# Altium PCB PCB_Kasli.PCBDOC (part 9 of 14)
Units mm, origin at the board's own origin, x right, y up, seen from the top; angles counter-clockwise.
Board outline 162.29 x 100 mm, 6 copper layers (TopLayer, MidLayer1, MidLayer2, SignalLayer1, Internal Plane 1, BottomLayer), stack 1.528 mm thick; 646 components, 567 nets, 2756 pads, 1560 vias.
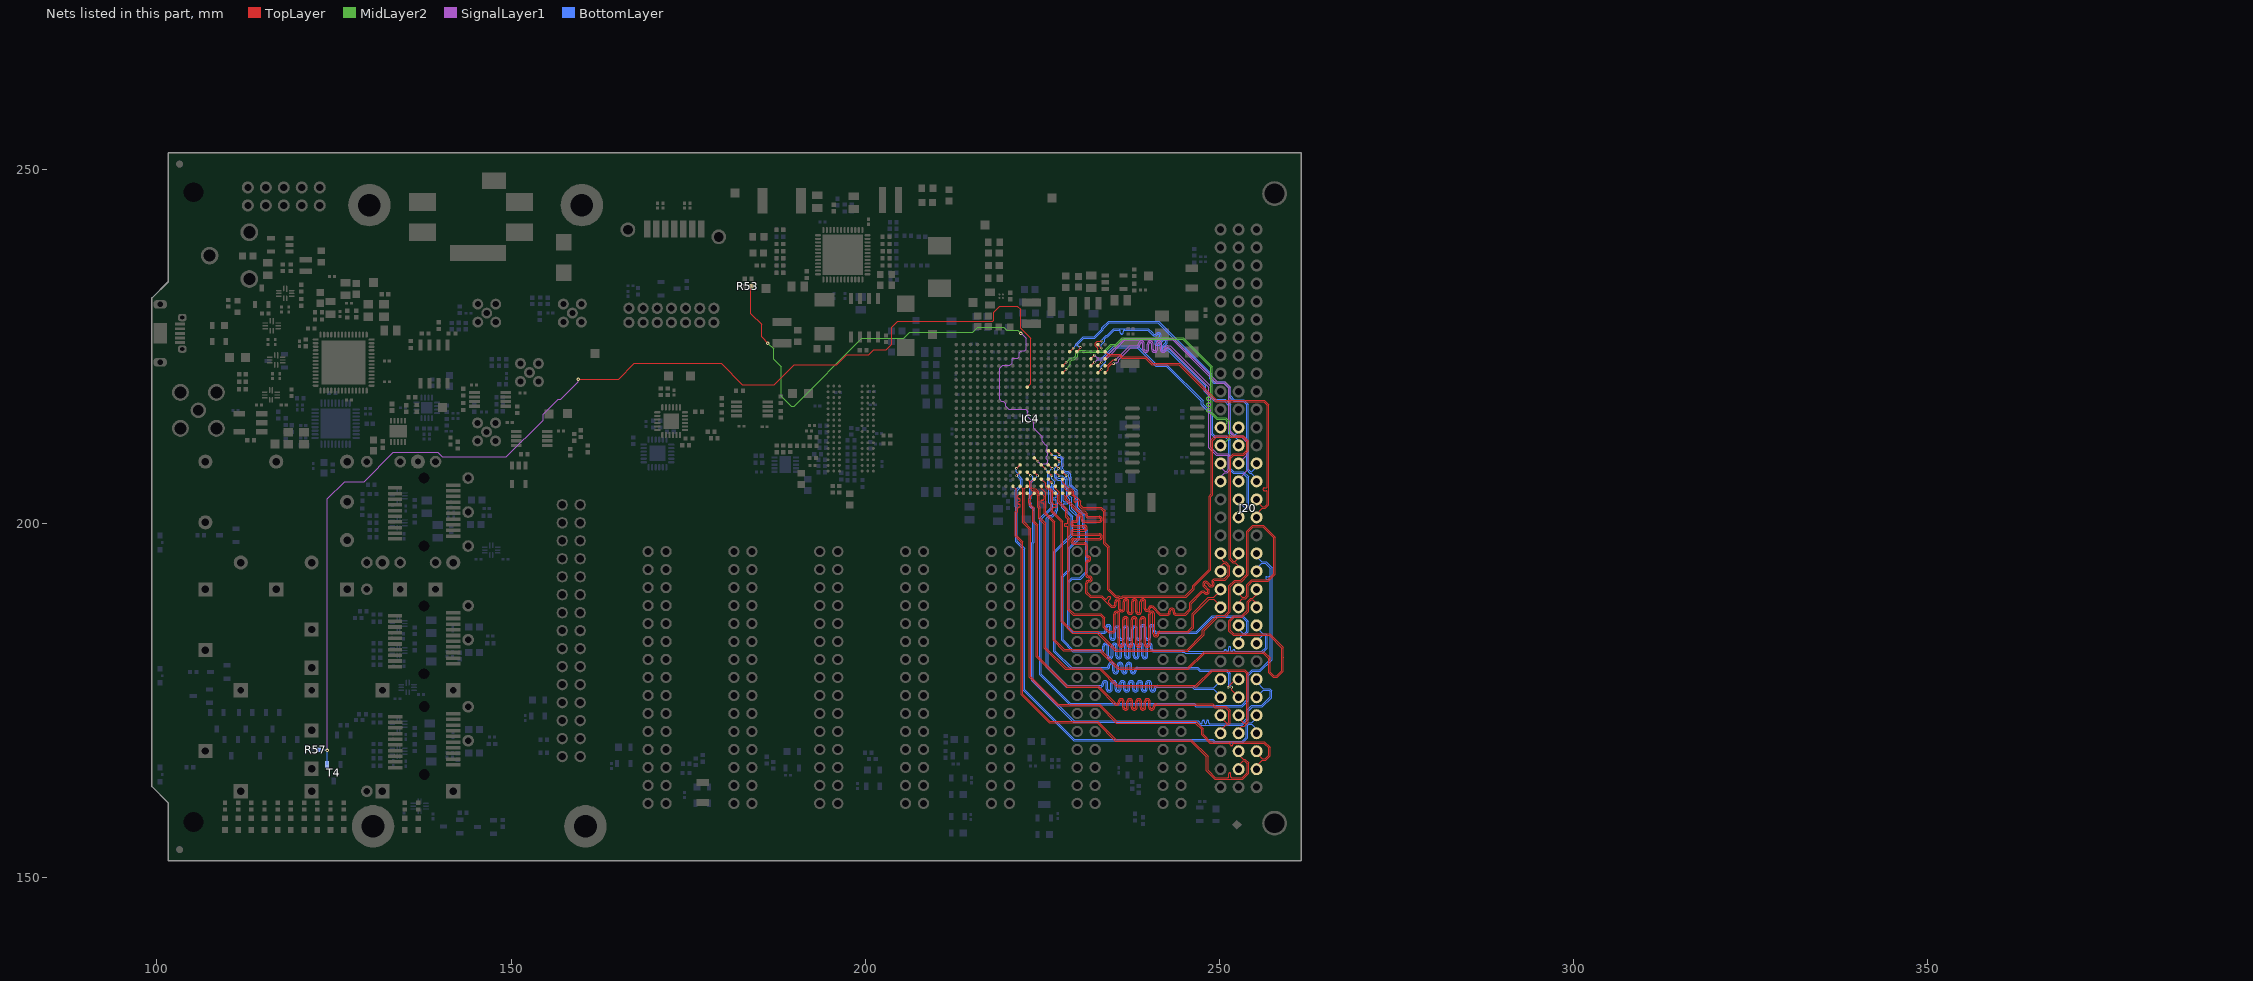
[diagram p13: the nets of this part, all layers, seen from the top]

## Via types
v1: diameter 0.5, hole 0.2, TopLayer to BottomLayer, tented both sides, 724 vias
v2: diameter 0.35, hole 0.15, TopLayer to BottomLayer, tented both sides, 628 vias
v3: diameter 0.8, hole 0.5, TopLayer to BottomLayer, tented both sides, 122 vias
v4: diameter 0.8, hole 0.5, TopLayer to BottomLayer, 66 vias
v5: diameter 0.5, hole 0.2, TopLayer to BottomLayer, 20 vias

## Nets (pads, with @x,y where several pads share a name; then routed paths per layer and width w, separated by ;. In a path a pad name is that pad's centre, name@x,y a point inside that pad or via, vN(x,y) a via of type N, cw(c..) or ccw(c..) an arc to the next point about the centre after c; other vN are vias at no path point) (continued)
EXT9.LVDS_1_N: IC4.A21 J20.b13 | length 36.6
  TopLayer w0.095: IC4.A21@232.872,225.315 v2(233.372,224.815)
  BottomLayer w0.095: v2(233.372,224.815) 233.372,225.288 233.839,225.755 233.839,226.14 234.131,226.433 234.27,226.433 235.193,227.355 235.45,227.355 235.647,227.355 235.845,227.355 cw(c235.845,227.157) 236.042,227.157 236.042,226.986 ccw(c236.24,226.986) 236.24,226.788 ccw(c236.24,226.986) 236.438,226.986 236.438,227.157 cw(c236.635,227.157) 236.635,227.355 236.833,227.355 237.1,227.355 239.895,227.355 240.386,226.864 240.606,226.644 ccw(c240.901,226.94) 241.196,226.644 241.256,226.705 cw(c241.396,226.565) 241.535,226.705 cw(c241.396,226.565) 241.593,226.565 cw(c241.396,226.565) 241.535,226.425 240.98,225.87 ccw(c241.276,225.575) 240.98,225.28 ccw(c241.276,225.575) 241.571,225.28 242.126,225.835 cw(c242.265,225.695) 242.405,225.835 cw(c242.265,225.695) 242.463,225.695 cw(c242.265,225.695) 242.405,225.556 241.85,225 ccw(c242.145,224.705) 241.85,224.41 ccw(c242.145,224.705) 242.44,224.41 242.501,224.47 cw(c242.64,224.331) 242.78,224.47 247.875,219.375 247.875,218.714 249.234,217.355 250.72,217.355 251.375,216.7 251.375,212.689 251.787,212.276 252.222,212.276 252.73,211.768 J20.b13@252.73,211.074
EXT9.LVDS_1_P: IC4.B21 J20.b12 | length 36.5
  TopLayer w0.095: IC4.B21@232.872,224.315 232.872,224.769 232.486,225.155 232.486,225.475 232.761,225.75 v2@233.307,225.75
  BottomLayer w0.095: v2(233.372,225.815) 233.372,225.897 233.619,226.144 233.619,226.231 234.04,226.652 234.179,226.652 235.102,227.575 239.986,227.575 240.541,227.02 240.761,226.8 ccw(c240.901,226.94) 241.04,226.8 241.101,226.86 cw(c241.396,226.565) 241.691,226.86 cw(c241.396,226.565) 241.813,226.565 cw(c241.396,226.565) 241.691,226.27 241.136,225.715 ccw(c241.276,225.575) 241.136,225.435 ccw(c241.276,225.575) 241.415,225.435 241.97,225.99 cw(c242.265,225.695) 242.561,225.99 cw(c242.265,225.695) 242.683,225.695 cw(c242.265,225.695) 242.561,225.4 242.006,224.845 ccw(c242.145,224.705) 242.006,224.566 ccw(c242.145,224.705) 242.285,224.566 242.345,224.626 cw(c242.64,224.331) 242.935,224.626 248.095,219.466 248.095,218.805 249.325,217.575 250.811,217.575 251.595,216.791 251.595,212.78 251.879,212.496 252.222,212.496 252.73,213.004 J20.b12@252.73,213.614
EXT9.LVDS_2_N: IC4.D16 J20.c13 | length 38.3
  TopLayer w0.095: IC4.D16@227.872,222.315 v2(228.372,222.815)
  MidLayer2 w0.115: v2(228.372,222.815) 228.857,223.3 228.984,223.3 229.116,223.433 229.45,223.433 229.757,223.74 229.757,224.181 230.119,224.543 231.104,224.543 231.214,224.432 231.53,224.432 231.533,224.435 233.211,224.435 233.214,224.432 233.53,224.432 233.533,224.435 233.75,224.435 234.184,224.869 234.184,224.885 234.677,225.379 235.375,225.379 236.297,226.3 244.907,226.3 249.01,222.197 249.01,215.697 249.711,214.996 250.911,214.996 251.475,214.432 251.475,212.175 250.374,211.074 J20.c13@250.19,211.074
EXT9.LVDS_2_P: IC4.E16 J20.c12 | length 38.7
  TopLayer w0.095: IC4.E16@227.872,221.315 v2(228.372,221.815)
  MidLayer2 w0.111: J20.c12@250.19,213.294 J20.c12@250.19,213.614
  MidLayer2 w0.115: v2(228.372,221.815) 228.99,222.432 228.99,222.973 229.214,223.198 229.547,223.198 229.992,223.643 229.992,224.083 230.217,224.308 230.533,224.308 230.641,224.2 231.114,224.2 231.116,224.197 231.628,224.197 231.63,224.2 233.114,224.2 233.116,224.197 233.628,224.197 233.63,224.2 233.847,224.2 234.419,224.771 234.419,224.788 234.775,225.144 235.473,225.144 236.394,226.065 244.81,226.065 248.775,222.1 248.775,218.7 248.775,218.09 cw(c248.568,218.09) 248.568,217.882 248.4,217.882 ccw(c248.4,217.675) 248.192,217.675 ccw(c248.4,217.675) 248.4,217.467 248.568,217.467 cw(c248.568,217.26) 248.775,217.26 cw(c248.568,217.26) 248.568,217.052 248.4,217.052 ccw(c248.4,216.845) 248.192,216.845 ccw(c248.4,216.845) 248.4,216.637 248.568,216.637 cw(c248.568,216.43) 248.775,216.43 cw(c248.568,216.43) 248.568,216.222 248.4,216.222 ccw(c248.4,216.015) 248.192,216.015 ccw(c248.4,216.015) 248.4,215.807 248.568,215.807 cw(c248.568,215.6) 248.775,215.6 249.613,214.761 250.814,214.761 251.15,214.425 251.15,214.3 250.464,213.614 J20.c12@250.19,213.614
EXT9.LVDS_3_N: IC4.B18 J20.a15 | length 44.1
  TopLayer w0.095: IC4.B18@229.872,224.315 230.425,224.868 230.375,224.918 v2(230.375,224.925)
  BottomLayer w0.095: v2(230.375,224.925) 230.262,224.925 229.982,225.205 229.982,225.3 230.87,226.188 232.249,226.188 232.437,226.187 233.652,227.402 233.652,227.591 233.656,227.594 234.461,228.4 241.35,228.4 248.65,221.1 248.65,220.459 249.229,219.88 250.67,219.88 251.35,219.2 251.35,218.039 252.059,217.33 253.375,217.33 253.875,216.83 253.875,207.614 254.334,207.155 254.525,207.155 255.27,206.41 J20.a15@255.27,205.994
EXT9.LVDS_3_P: IC4.B17 J20.a14 | length 44.4
  TopLayer w0.095: IC4.B17@228.872,224.315 v2(229.372,224.815)
  BottomLayer w0.095: v2(229.372,224.815) 229.762,225.205 229.762,225.391 230.778,226.407 232.346,226.407 233.432,227.494 233.432,227.682 233.5,227.75 ; 233.497,227.747 233.5,227.75 ; J20.a14@255.27,208.534 255.27,208.029 254.616,207.375 254.425,207.375 254.095,207.705 254.095,216.921 253.466,217.55 252.15,217.55 251.57,218.13 251.57,219.291 250.761,220.1 249.32,220.1 248.87,220.55 248.87,221.191 241.441,228.62 234.37,228.62 233.5,227.75
EXT9.LVDS_4_N: IC4.C20 J20.b15 | length 39.6
  TopLayer w0.095: IC4.C20@231.872,223.315 v2(232.372,223.815)
  SignalLayer1 w0.1: 249.368,220.389 249.693,220.064 250.757,220.064 251.56,219.261 251.56,215.587 251.55,215.577 251.55,214.191 251.56,214.181 251.56,213.158 252.274,212.444 253.297,212.444 254.12,211.621 254.12,207.72 252.73,206.33 J20.b15@252.73,205.994
  SignalLayer1 w0.115: v2(232.372,223.815) 232.755,223.433 233.85,223.433 236.653,226.235 243.522,226.235 249.368,220.389
EXT9.LVDS_4_P: IC4.D20 J20.b14 | length 36.6
  TopLayer w0.095: IC4.D20@231.872,222.315 v2(232.372,222.815)
  SignalLayer1 w0.1: 249.267,220.158 249.581,219.844 250.666,219.844 251.34,219.17 251.34,215.678 251.33,215.668 251.33,214.1 251.34,214.09 251.34,213.067 252.183,212.224 253.206,212.224 253.9,211.53 253.9,209.704 J20.b14@252.73,208.534
  SignalLayer1 w0.115: v2(232.372,222.815) 232.755,223.198 233.948,223.198 236.75,226 243.425,226 249.267,220.158
EXT9.LVDS_5_N: IC4.D22 J20.c15 | length 41.3
  TopLayer w0.095: IC4.D22@233.872,222.315 234.17,222.315 234.305,222.45 234.35,222.45 235.05,223.15 v2(235.4,223.15)
  SignalLayer1 w0.115: v2(235.4,223.15) 235.251,223.15 235.325,223.225 235.367,223.266 235.4,223.266 235.486,223.266 237.355,225.135 238.4,225.135 ccw(c238.4,225.325) 238.59,225.325 238.59,225.384 cw(c239.015,225.384) 239.44,225.384 239.44,224.625 ccw(c239.63,224.625) 239.82,224.625 239.82,225.384 cw(c240.245,225.384) 240.67,225.384 240.67,224.625 ccw(c240.86,224.625) 241.05,224.625 241.05,225.384 cw(c241.475,225.384) 241.9,225.384 241.9,224.625 ccw(c242.09,224.625) 242.28,224.625 242.28,224.71 cw(c242.705,224.71) 242.705,225.135 243.047,225.135 248.766,219.416 248.766,210.847 249.697,209.917 251.191,209.917 251.535,209.572 251.535,207.628 251.122,207.215 250.75,207.215 250.19,206.655 J20.c15@250.19,205.994
EXT9.LVDS_5_P: IC4.E22 J20.c14 | length 40.8
  TopLayer w0.095: IC4.E22@233.872,221.315 234.35,221.793 234.35,222.139 234.847,222.636 v2(235.086,222.636)
  SignalLayer1 w0.115: v2(235.086,222.636) 235.218,222.767 235.558,222.767 235.783,222.992 235.783,223.202 237.48,224.9 238.4,224.9 ccw(c238.4,225.325) 238.825,225.325 238.825,225.384 cw(c239.015,225.384) 239.205,225.384 239.205,224.625 ccw(c239.63,224.625) 240.055,224.625 240.055,225.384 cw(c240.245,225.384) 240.435,225.384 240.435,224.625 ccw(c240.86,224.625) 241.285,224.625 241.285,225.384 cw(c241.475,225.384) 241.665,225.384 241.665,224.625 ccw(c242.09,224.625) 242.515,224.625 242.515,224.71 cw(c242.705,224.71) 242.705,224.9 242.95,224.9 248.531,219.319 248.531,210.75 249.6,209.682 251.093,209.682 251.3,209.475 251.3,207.725 251.025,207.45 250.75,207.45 250.19,208.01 J20.c14@250.19,208.534
EXT9.LVDS_6_N: IC4.B22 J20.a17 | length 43.1
  TopLayer w0.095: IC4.B22@233.872,224.315 234.262,223.925 236.025,223.925 236.325,223.625 239.638,223.625 240.371,222.892 240.563,222.7 241.116,222.7 244.396,222.7 249.625,217.471 256.365,217.471 257.02,216.817 257.02,202.684 256.516,202.18 256.075,202.18 255.27,201.375 J20.a17@255.27,200.914
EXT9.LVDS_6_P: IC4.C22 J20.a16 | length 43.1
  TopLayer w0.095: IC4.C22@233.872,223.315 234.262,223.705 235.934,223.705 236.234,223.405 239.547,223.405 240.28,222.671 240.472,222.48 244.305,222.48 249.534,217.251 249.735,217.251 256.274,217.252 256.8,216.726 256.8,205.675 256.8,205.477 256.8,205.28 cw(c256.602,205.28) 256.602,205.082 256.365,205.082 ccw(c256.365,204.885) 256.168,204.885 ccw(c256.365,204.885) 256.365,204.687 256.602,204.687 cw(c256.602,204.49) 256.8,204.49 256.8,204.325 256.8,202.775 256.425,202.4 256.075,202.4 255.27,203.205 J20.a16@255.27,203.454
EXT9.LVDS_7_N: IC4.D21 J20.b17 | length 41.1
  TopLayer w0.095: IC4.D21@232.872,222.315 v2(233.372,222.815)
  BottomLayer w0.095: v2(233.372,222.815) 233.372,223.288 235.204,225.12 238.516,225.12 241.141,222.495 241.416,222.495 242.579,222.495 247.705,217.369 247.705,216.875 249.1,215.48 249.1,214.076 249.093,214.069 249.093,212.758 249.375,212.475 250.961,212.475 251.57,211.866 251.57,207.841 252.036,207.375 253.391,207.375 254.145,206.621 254.145,202.334 253.866,202.055 253.575,202.055 252.73,201.21 J20.b17@252.73,200.914
EXT9.LVDS_7_P: IC4.E21 J20.b16 | length 41.1
  TopLayer w0.095: IC4.E21@232.872,221.315 v2(233.372,221.815)
  BottomLayer w0.095: v2(233.372,221.815) 233.372,222.288 233.965,222.881 233.965,223.57 235.295,224.9 238.425,224.9 241.05,222.275 242.488,222.275 247.485,217.278 247.485,216.784 248.88,215.389 248.88,214.167 248.873,214.16 248.873,212.666 249.284,212.255 250.87,212.255 251.35,211.775 251.35,207.75 251.945,207.155 253.3,207.155 253.925,206.53 253.925,202.425 253.775,202.275 253.575,202.275 252.73,203.12 J20.b16@252.73,203.454
EXT10.LVDS_0_N: IC4.V14 J20.a20 | length 86.7
  TopLayer w0.095: IC4.V14@225.872,208.315 226.364,207.823 v2(226.416,207.823)
  BottomLayer w0.095: v2(226.416,207.823) 226.38,207.823 226.002,207.444 226.002,206.971 226,206.969 226,206.661 226.002,206.659 226.002,205.971 226,205.969 226,205.375 226.175,205.2 226.175,203.059 226.475,202.76 226.475,202.269 224.875,200.669 224.875,178.75 228.975,174.65 246.466,174.65 246.745,174.371 253.143,174.371 253.903,175.131 253.903,178.664 254.63,179.392 255.717,179.392 257.23,180.905 257.23,191.825 257.23,191.965 ccw(c257.032,191.965) 257.032,192.162 256.727,192.162 cw(c256.727,192.36) 256.53,192.36 cw(c256.727,192.36) 256.727,192.557 257.032,192.557 ccw(c257.032,192.755) 257.23,192.755 257.23,192.952 257.23,193.15 257.23,193.72 256.525,194.425 256,194.425 255.27,193.695 J20.a20@255.27,193.294
EXT10.LVDS_0_P: IC4.V13 J20.a19 | length 86.7
  TopLayer w0.095: IC4.V13@224.872,208.315 225.411,207.776 v2(225.411,207.76) v2@225.411,207.736
  BottomLayer w0.095: v2(225.411,207.76) 225.782,207.39 225.782,207.062 225.78,207.06 225.78,206.57 225.782,206.568 225.782,206.062 225.78,206.06 225.78,205.284 225.955,205.109 225.955,202.968 226.255,202.668 226.255,202.36 224.655,200.76 224.655,178.659 228.884,174.43 246.375,174.43 246.654,174.151 253.234,174.151 254.123,175.04 254.123,178.573 254.722,179.172 255.808,179.172 257.45,180.814 257.45,193.811 256.616,194.645 256,194.645 255.27,195.375 J20.a19@255.27,195.834
EXT10.LVDS_1_N: IC4.AA16 J20.b20 | length 81.3
  TopLayer w0.095: IC4.AA16@227.872,205.315 228.478,204.709 229.025,204.709 229.258,204.475 229.258,204.025 229.28,204.004 229.419,203.864 229.559,203.724 cw(c229.419,203.585) 229.559,203.445 229.513,203.399 ccw(c229.652,203.259) 229.513,203.12 ccw(c229.652,203.259) 229.792,203.12 229.838,203.166 cw(c229.978,203.026) 230.117,203.166 230.154,203.129 230.193,203.09 230.193,202.568 230.602,202.159 233.28,202.159 233.705,201.734 233.705,197.218 234.273,196.65 234.273,190.666 235.309,189.63 235.707,189.63 235.83,189.507 236.32,189.507 236.443,189.63 240.157,189.63 240.18,189.607 240.67,189.607 240.693,189.63 245.321,189.63 246.475,190.784 246.475,191.2 248.775,193.5 248.775,203.825 249.075,204.125 249.075,211.75 249.55,212.225 253.289,212.225 253.9,211.614 253.9,210.425 253.4,209.925 251.964,209.925 251.38,209.341 251.38,195.025 251.909,194.496 252.247,194.496 252.73,194.014 J20.b20@252.73,193.294
EXT10.LVDS_1_P: IC4.Y16 J20.b19 | length 81.3
  TopLayer w0.095: IC4.Y16@227.872,206.315 227.872,205.861 228.258,205.475 228.258,205.382 228.712,204.929 229.116,204.929 229.478,204.566 229.478,204.116 230.413,203.181 230.413,202.659 230.694,202.379 233.371,202.379 233.925,201.825 233.925,197.309 234.493,196.741 234.493,190.758 235.4,189.85 235.798,189.85 235.921,189.727 236.229,189.727 236.352,189.85 240.248,189.85 240.271,189.827 240.579,189.827 240.602,189.85 245.23,189.85 246.255,190.875 246.255,191.291 248.555,193.591 248.555,203.916 248.855,204.216 248.855,211.841 249.459,212.445 253.38,212.445 254.12,211.705 254.12,210.334 253.491,209.705 252.055,209.705 251.6,209.25 251.6,195.116 252,194.716 252.247,194.716 252.73,195.199 J20.b19@252.73,195.834
EXT10.LVDS_2_N: IC4.AB17 J20.c20 | length 82
  TopLayer w0.095: IC4.AB17@228.872,204.315 228.482,203.925 228.482,203.525 229.125,202.882 230.187,201.82 230.98,201.82 231.35,201.45 231.35,201.247 ccw(c231.547,201.247) 231.547,201.049 233.063,201.049 cw(c233.063,200.632) 233.48,200.632 cw(c233.063,200.632) 233.063,200.214 230.905,200.214 cw(c230.905,200.632) 230.487,200.632 230.487,200.963 ccw(c230.29,200.963) 230.092,200.963 230.092,200.632 cw(c229.675,200.632) 229.675,200.214 229.462,200.214 ccw(c229.462,200.017) 229.462,199.819 230.932,199.819 cw(c230.932,199.402) 231.35,199.402 cw(c230.932,199.402) 230.932,198.984 229.462,198.984 ccw(c229.462,198.787) 229.462,198.589 233.063,198.589 cw(c233.063,198.172) 233.48,198.172 cw(c233.063,198.172) 233.063,197.754 229.462,197.754 ccw(c229.462,197.557) 229.462,197.359 230.932,197.359 cw(c230.932,196.942) 231.35,196.942 231.35,196.3 231.35,195.566 ccw(c231.439,195.566) 231.439,195.478 cw(c231.439,195.06) 231.856,195.06 cw(c231.439,195.06) 231.439,194.642 ccw(c231.439,194.554) 231.35,194.554 231.35,192.825 ccw(c231.547,192.825) 231.547,192.627 231.645,192.627 cw(c231.645,192.21) 232.063,192.21 cw(c231.645,192.21) 231.645,191.792 231.548,191.792 ccw(c231.548,191.595) 231.35,191.595 231.35,190.325 231.85,189.825 233.436,189.825 233.7,189.561 233.823,189.438 ccw(c233.963,189.578) 234.103,189.438 234.342,189.678 cw(c234.482,189.538) 234.622,189.678 cw(c234.482,189.538) 234.622,189.398 234.382,189.159 ccw(c234.521,189.019) 234.382,188.879 234.841,188.42 235.047,188.42 ccw(c235.047,188.607) 235.234,188.607 235.234,188.947 cw(c235.642,188.947) 236.049,188.947 236.049,187.972 ccw(c236.237,187.972) 236.424,187.972 236.424,189.012 cw(c236.832,189.012) 237.239,189.012 237.239,187.607 ccw(c237.427,187.607) 237.614,187.607 237.614,189.012 cw(c238.022,189.012) 238.429,189.012 238.429,187.607 ccw(c238.617,187.607) 238.804,187.607 238.804,189.012 cw(c239.212,189.012) 239.619,189.012 239.619,188.039 ccw(c239.807,188.039) 239.994,188.039 cw(c240.375,188.039) 240.375,188.42 240.605,188.42 241.7,187.325 242.675,187.325 ccw(c242.675,187.522) 242.873,187.522 242.873,187.669 cw(c243.29,187.669) 243.29,188.087 cw(c243.29,187.669) 243.708,187.669 243.708,187.517 ccw(c243.9,187.517) 243.9,187.325 245.155,187.325 245.83,188 245.83,188.83 247.395,190.395 ; 247.459,190.459 247.395,190.395 ; 249.021,191.377 cw(c248.882,191.518) 248.742,191.378 248.36,191.76 ccw(c248.065,191.464) 247.77,191.76 ccw(c248.065,191.464) 247.77,191.169 248.325,190.614 cw(c248.185,190.474) 248.383,190.474 cw(c248.185,190.474) 248.325,190.335 cw(c248.185,190.474) 248.045,190.335 247.985,190.395 ccw(c247.69,190.1) 247.395,190.395 ; 249.021,191.378 ccw(c248.882,191.518) 249.079,191.518 ccw(c248.882,191.518) 249.021,191.657 cw(c249.203,191.839) 249.021,192.021 249.278,192.278 250.723,192.278 251.257,192.811 251.257,193.777 251.282,193.802 251.282,193.948 250.793,194.437 250.647,194.437 250.19,193.98 J20.c20@250.19,193.294
EXT10.LVDS_2_P: IC4.AB16 J20.c19 | length 81.9
  TopLayer w0.095: IC4.AB16@227.872,204.315 228.262,203.925 228.262,203.434 228.969,202.726 229.269,202.427 230.096,201.6 230.889,201.6 231.13,201.359 231.13,201.247 ccw(c231.547,201.247) 231.547,200.829 233.063,200.829 cw(c233.063,200.632) 233.26,200.632 cw(c233.063,200.632) 233.063,200.434 230.905,200.434 cw(c230.905,200.632) 230.707,200.632 230.707,200.963 ccw(c230.29,200.963) 229.872,200.963 229.872,200.632 cw(c229.675,200.632) 229.675,200.434 229.462,200.434 ccw(c229.462,200.017) 229.462,199.599 230.932,199.599 cw(c230.932,199.402) 231.13,199.402 cw(c230.932,199.402) 230.932,199.204 229.462,199.204 ccw(c229.462,198.787) 229.462,198.369 233.063,198.369 cw(c233.063,198.172) 233.26,198.172 cw(c233.063,198.172) 233.063,197.974 229.462,197.974 ccw(c229.462,197.557) 229.462,197.139 230.932,197.139 cw(c230.932,196.942) 231.13,196.942 231.13,196.3 231.13,195.566 ccw(c231.439,195.566) 231.439,195.258 cw(c231.439,195.06) 231.636,195.06 cw(c231.439,195.06) 231.439,194.862 ccw(c231.439,194.554) 231.13,194.554 231.13,192.825 ccw(c231.547,192.825) 231.547,192.407 231.645,192.407 cw(c231.645,192.21) 231.843,192.21 cw(c231.645,192.21) 231.645,192.012 231.548,192.012 ccw(c231.548,191.595) 231.13,191.595 231.13,190.234 231.759,189.605 233.345,189.605 234.75,188.2 235.047,188.2 ccw(c235.047,188.607) 235.454,188.607 235.454,188.947 cw(c235.642,188.947) 235.829,188.947 235.829,187.972 ccw(c236.237,187.972) 236.644,187.972 236.644,189.012 cw(c236.832,189.012) 237.019,189.012 237.019,187.607 ccw(c237.427,187.607) 237.834,187.607 237.834,189.012 cw(c238.022,189.012) 238.209,189.012 238.209,187.607 ccw(c238.617,187.607) 239.024,187.607 239.024,189.012 cw(c239.212,189.012) 239.399,189.012 239.399,188.039 ccw(c239.807,188.039) 240.214,188.039 cw(c240.375,188.039) 240.375,188.2 240.514,188.2 241.609,187.105 242.675,187.105 ccw(c242.675,187.522) 243.093,187.522 243.093,187.669 cw(c243.29,187.669) 243.29,187.867 cw(c243.29,187.669) 243.488,187.669 243.488,187.517 ccw(c243.9,187.517) 243.9,187.105 245.246,187.105 246.05,187.909 246.05,188.739 247.55,190.239 cw(c247.69,190.1) 247.83,190.239 247.89,190.179 ccw(c248.185,190.474) 248.48,190.179 ccw(c248.185,190.474) 248.603,190.474 ccw(c248.185,190.474) 248.48,190.77 247.925,191.325 cw(c248.065,191.464) 247.925,191.604 ; 247.925,191.604 cw(c248.065,191.464) 248.205,191.604 248.586,191.222 ccw(c248.882,191.518) 249.177,191.222 ccw(c248.882,191.518) 249.299,191.518 ccw(c248.882,191.518) 249.177,191.813 cw(c249.203,191.839) 249.177,191.865 249.369,192.058 250.815,192.058 251.477,192.72 251.477,193.607 251.502,193.633 251.502,194.039 250.884,194.657 250.647,194.657 250.19,195.114 J20.c19@250.19,195.834
EXT10.LVDS_3_N: IC4.AB13 J20.a22 | length 79.7
  TopLayer w0.095: IC4.AB13@224.872,204.315 225.255,203.932 225.255,203.735 225.255,203.537 cw(c225.057,203.537) 225.057,203.34 224.974,203.34 ccw(c224.974,203.142) 224.776,203.142 ccw(c224.974,203.142) 224.974,202.945 225.057,202.945 cw(c225.057,202.747) 225.255,202.747 225.255,202.55 225.255,202.35 225.255,201.484 226.526,200.213 226.526,183.533 228.004,182.055 233.084,182.055 235.684,179.455 245.646,179.455 247.941,181.75 256.2,181.75 256.975,180.975 256.975,178.989 257.609,178.355 258.216,178.355 259.045,179.184 259.045,181.118 259.028,181.135 259.028,181.506 259.045,181.523 259.045,182.541 257.116,184.47 252.055,184.47 251.575,184.95 251.575,186.225 252.15,186.8 253.269,186.8 254.144,187.675 254.144,188.917 254.533,189.306 254.711,189.306 255.27,188.747 J20.a22@255.27,188.214
EXT10.LVDS_3_P: IC4.AA13 J20.a21 | length 80
  TopLayer w0.095: IC4.AA13@224.872,205.315 224.872,205.018 225.475,204.415 225.475,201.575 226.746,200.304 226.746,183.624 228.095,182.275 233.175,182.275 235.775,179.675 245.555,179.675 247.85,181.97 256.291,181.97 257.195,181.066 257.195,179.08 257.7,178.575 258.125,178.575 258.825,179.275 258.825,181.027 258.808,181.044 258.808,181.597 258.825,181.614 258.825,182.45 257.025,184.25 251.964,184.25 251.355,184.859 251.355,186.316 252.059,187.02 253.178,187.02 253.924,187.766 253.924,189.008 254.442,189.526 254.711,189.526 255.27,190.085 J20.a21@255.27,190.754
EXT10.LVDS_4_N: IC4.AA14 J20.b22 | length 80.1
  TopLayer w0.095: IC4.AA14@225.872,205.315 225.92,205.268 225.92,205.155 226.486,204.589 226.486,204.155 226.5,204.141 226.5,203.05 226.5,202.96 ccw(c226.697,202.96) 226.697,202.763 226.952,202.763 cw(c226.952,202.565) 227.15,202.565 cw(c226.952,202.565) 226.952,202.368 226.697,202.368 ccw(c226.697,202.17) 226.5,202.17 226.5,201.973 226.5,201.775 227.875,200.4 227.875,186.275 229.35,184.8 232.875,184.8 235.425,182.25 245.475,182.25 247.63,184.405 247.63,184.991 249.701,187.062 250.749,187.062 251.358,187.672 251.358,191.243 252.182,192.066 253.054,192.066 253.9,192.912 253.9,198.986 254.709,199.795 256.241,199.795 257.92,198.116 257.92,192.884 256.916,191.88 254.673,191.88 254.068,191.275 254.068,189.792 253.966,189.69 253.966,189.649 253.725,189.408 253.263,189.408 252.73,188.874 J20.b22@252.73,188.214
EXT10.LVDS_4_P: IC4.Y13 J20.b21 | length 80.1
  TopLayer w0.095: IC4.Y13@224.872,206.315 225.486,205.701 225.486,205.155 225.712,204.929 225.835,204.929 226.266,204.498 226.266,204.064 226.28,204.05 226.28,201.684 227.655,200.309 227.655,186.184 229.259,184.58 232.784,184.58 235.334,182.03 245.566,182.03 247.85,184.314 247.85,184.9 249.792,186.842 250.84,186.842 251.578,187.581 251.578,191.152 252.273,191.846 253.145,191.846 254.12,192.821 254.12,198.895 254.8,199.575 256.15,199.575 257.7,198.025 257.7,192.975 256.825,192.1 254.581,192.1 253.848,191.366 253.848,189.883 253.746,189.782 253.746,189.74 253.634,189.628 253.263,189.628 252.73,190.161 J20.b21@252.73,190.754
EXT10.LVDS_5_N: IC4.AB15 J20.c22 | length 83.5
  TopLayer w0.095: IC4.AB15@226.872,204.315 227.2,203.987 227.2,203.084 228.305,201.979 228.305,200.959 228.63,200.634 228.63,200.436 228.63,200.239 cw(c228.432,200.239) 228.432,200.041 228.302,200.041 ccw(c228.302,199.844) 228.104,199.844 ccw(c228.302,199.844) 228.302,199.646 228.432,199.646 cw(c228.432,199.449) 228.63,199.449 228.63,199.3 228.63,187.859 229.409,187.08 233.184,187.08 233.607,186.657 233.607,185.393 234.395,184.605 234.486,184.605 234.91,184.605 ccw(c234.91,185.022) 235.327,185.022 235.327,187.258 cw(c235.525,187.258) 235.723,187.258 235.723,182.987 ccw(c236.14,182.987) 236.557,182.987 236.557,186.468 cw(c236.755,186.468) 236.953,186.468 236.953,182.987 ccw(c237.37,182.987) 237.788,182.987 237.788,186.468 cw(c237.985,186.468) 238.183,186.468 238.183,182.987 ccw(c238.6,182.987) 239.018,182.987 239.018,186.468 cw(c239.215,186.468) 239.413,186.468 239.413,182.987 ccw(c239.83,182.987) 240.248,182.987 240.248,187.258 cw(c240.445,187.258) 240.643,187.258 240.643,184.457 ccw(c241.06,184.457) 241.478,184.457 cw(c241.626,184.457) 241.626,184.605 242.45,184.605 245.621,184.605 246.375,185.359 246.375,187.187 248.571,189.382 249.225,189.382 250.19,188.417 J20.c22@250.19,188.214
EXT10.LVDS_5_P: IC4.AA15 J20.c21 | length 83.5
  TopLayer w0.095: IC4.AA15@226.872,205.315 226.872,205.018 227.42,204.47 227.42,203.175 228.525,202.07 228.525,201.05 228.85,200.725 228.85,187.95 229.5,187.3 233.275,187.3 233.827,186.748 233.827,185.484 234.486,184.825 234.91,184.825 ccw(c234.91,185.022) 235.108,185.022 235.108,187.258 cw(c235.525,187.258) 235.942,187.258 235.942,182.987 ccw(c236.14,182.987) 236.338,182.987 236.338,186.468 cw(c236.755,186.468) 237.172,186.468 237.172,182.987 ccw(c237.37,182.987) 237.568,182.987 237.568,186.468 cw(c237.985,186.468) 238.403,186.468 238.403,182.987 ccw(c238.6,182.987) 238.798,182.987 238.798,186.468 cw(c239.215,186.468) 239.633,186.468 239.633,182.987 ccw(c239.83,182.987) 240.028,182.987 240.028,187.258 cw(c240.445,187.258) 240.863,187.258 240.863,184.457 ccw(c241.06,184.457) 241.258,184.457 cw(c241.626,184.457) 241.626,184.825 242.45,184.825 245.53,184.825 246.155,185.45 246.155,187.278 248.48,189.602 249.225,189.602 250.19,190.568 J20.c21@250.19,190.754
EXT10.LVDS_6_N: IC4.W16 J20.a24 | length 79.3
  TopLayer w0.095: IC4.W16@227.872,207.315 v2(228.372,206.815)
  BottomLayer w0.095: v2(228.372,206.815) 228.372,206.493 228.549,206.316 228.549,205.233 228.7,205.082 228.7,204.099 229.142,203.657 229.142,202.108 230.297,200.953 230.297,197.924 228.871,196.498 228.871,193.463 227.951,192.543 227.951,183.624 229.414,182.161 233.35,182.161 ccw(c233.35,182.358) 233.548,182.358 233.548,182.743 cw(c233.965,182.743) 233.965,183.161 cw(c233.965,182.743) 234.383,182.743 234.383,181.358 ccw(c234.58,181.358) 234.58,181.161 ccw(c234.58,181.358) 234.778,181.358 234.778,182.743 cw(c235.195,182.743) 235.195,183.161 cw(c235.195,182.743) 235.613,182.743 235.613,181.358 ccw(c235.81,181.358) 235.81,181.161 ccw(c235.81,181.358) 236.008,181.358 236.008,182.743 cw(c236.425,182.743) 236.425,183.161 cw(c236.425,182.743) 236.843,182.743 236.843,181.358 ccw(c237.04,181.358) 237.04,181.161 ccw(c237.04,181.358) 237.238,181.358 237.238,182.743 cw(c237.655,182.743) 237.655,183.161 cw(c237.655,182.743) 238.073,182.743 238.073,181.358 ccw(c238.27,181.358) 238.27,181.161 ccw(c238.27,181.358) 238.468,181.358 238.468,182.743 cw(c238.885,182.743) 238.885,183.161 cw(c238.885,182.743) 239.303,182.743 239.303,181.358 ccw(c239.5,181.358) 239.5,181.161 ccw(c239.5,181.358) 239.698,181.358 239.698,182.743 cw(c240.115,182.743) 240.115,183.161 cw(c240.115,182.743) 240.533,182.743 240.533,182.358 ccw(c240.73,182.358) 240.73,182.161 244.82,182.161 244.865,182.116 245.127,182.116 245.26,181.982 250.575,181.982 250.614,181.982 ccw(c250.614,182.091) 250.723,182.091 cw(c250.87,182.091) 250.87,182.239 cw(c250.87,182.091) 251.018,182.091 ccw(c251.126,182.091) 251.126,181.982 251.165,181.982 ccw(c251.165,182.13) 251.313,182.13 251.313,182.526 cw(c251.46,182.526) 251.46,182.674 cw(c251.46,182.526) 251.608,182.526 251.608,182.13 ccw(c251.755,182.13) 251.755,181.982 251.794,181.982 ccw(c251.794,182.091) 251.903,182.091 cw(c252.05,182.091) 252.05,182.239 cw(c252.05,182.091) 252.198,182.091 ccw(c252.306,182.091) 252.306,181.982 252.493,181.982 252.525,181.982 255.998,181.982 256.555,182.539 256.555,184.186 256.464,184.277 256.159,184.277 255.27,183.388 J20.a24@255.27,183.134
EXT10.LVDS_6_P: IC4.W15 J20.a23 | length 79.3
  TopLayer w0.095: IC4.W15@226.872,207.315 v2(227.372,206.815)
  BottomLayer w0.095: v2(227.372,206.815) 227.83,206.815 228.152,206.493 228.152,206.402 228.329,206.224 228.329,205.142 228.434,205.036 228.48,204.991 228.48,203.944 228.922,203.502 228.922,202.017 230.077,200.861 230.077,198.015 228.651,196.589 228.651,193.554 227.731,192.634 227.731,183.533 229.323,181.941 233.35,181.941 ccw(c233.35,182.358) 233.768,182.358 233.768,182.743 cw(c233.965,182.743) 233.965,182.941 cw(c233.965,182.743) 234.163,182.743 234.163,181.358 ccw(c234.58,181.358) 234.58,180.941 ccw(c234.58,181.358) 234.998,181.358 234.998,182.743 cw(c235.195,182.743) 235.195,182.941 cw(c235.195,182.743) 235.393,182.743 235.393,181.358 ccw(c235.81,181.358) 235.81,180.941 ccw(c235.81,181.358) 236.228,181.358 236.228,182.743 cw(c236.425,182.743) 236.425,182.941 cw(c236.425,182.743) 236.623,182.743 236.623,181.358 ccw(c237.04,181.358) 237.04,180.941 ccw(c237.04,181.358) 237.458,181.358 237.458,182.743 cw(c237.655,182.743) 237.655,182.941 cw(c237.655,182.743) 237.853,182.743 237.853,181.358 ccw(c238.27,181.358) 238.27,180.941 ccw(c238.27,181.358) 238.688,181.358 238.688,182.743 cw(c238.885,182.743) 238.885,182.941 cw(c238.885,182.743) 239.083,182.743 239.083,181.358 ccw(c239.5,181.358) 239.5,180.941 ccw(c239.5,181.358) 239.918,181.358 239.918,182.743 cw(c240.115,182.743) 240.115,182.941 cw(c240.115,182.743) 240.313,182.743 240.313,182.358 ccw(c240.73,182.358) 240.73,181.941 244.729,181.941 244.774,181.896 245.036,181.896 245.169,181.762 256.089,181.762 256.775,182.448 256.775,184.277 256.555,184.497 256.159,184.497 255.27,185.386 J20.a23@255.27,185.674
EXT10.LVDS_7_N: IC4.T15 J20.b24 | length 77.2
  TopLayer w0.095: IC4.T15@226.872,210.315 227.381,209.806 v2(227.381,209.779)
  BottomLayer w0.095: v2(227.381,209.779) 227.408,209.779 228,209.187 228,208.918 ; 228,208.608 228,208.15 227.914,208.064 227.914,207.756 228,207.67 228,207.661 228.253,207.407 228.617,207.407 229,207.025 229,206.661 229.114,206.547 229.114,205.512 229.527,205.099 ; 227.999,208.608 227.999,208.917 ; 229.531,205.103 229.914,204.721 229.914,203.681 229.997,203.597 229.997,202.253 230.97,201.28 230.97,199.516 231.395,199.091 231.395,193.162 230.418,192.185 229.246,192.185 228.806,191.745 228.806,185.344 229.375,184.775 233.725,184.775 ccw(c233.725,184.973) 233.923,184.973 233.923,185.357 cw(c234.34,185.357) 234.34,185.775 cw(c234.34,185.357) 234.758,185.357 234.758,183.973 ccw(c234.955,183.973) 234.955,183.775 ccw(c234.955,183.973) 235.153,183.973 235.153,185.149 cw(c235.57,185.149) 235.57,185.567 cw(c235.57,185.149) 235.988,185.149 235.988,183.973 ccw(c236.185,183.973) 236.185,183.775 ccw(c236.185,183.973) 236.383,183.973 236.383,185.149 cw(c236.8,185.149) 236.8,185.567 cw(c236.8,185.149) 237.218,185.149 237.218,183.973 ccw(c237.415,183.973) 237.415,183.775 ccw(c237.415,183.973) 237.613,183.973 237.613,185.149 cw(c238.03,185.149) 238.03,185.567 cw(c238.03,185.149) 238.448,185.149 238.448,183.973 ccw(c238.645,183.973) 238.645,183.775 ccw(c238.645,183.973) 238.843,183.973 238.843,185.357 cw(c239.26,185.357) 239.26,185.775 cw(c239.26,185.357) 239.678,185.357 239.678,183.973 ccw(c239.875,183.973) 239.875,183.775 ccw(c239.875,183.973) 240.073,183.973 240.073,185.357 cw(c240.49,185.357) 240.49,185.775 cw(c240.49,185.357) 240.908,185.357 240.908,184.973 ccw(c241.105,184.973) 241.105,184.775 246.751,184.775 249.013,187.037 253.329,187.037 254.118,186.248 254.118,184.745 253.685,184.311 253.34,184.311 252.73,183.701 J20.b24@252.73,183.134
EXT10.LVDS_7_P: IC4.T14 J20.b23 | length 77.5
  TopLayer w0.095: IC4.T14@225.872,210.315 226.365,209.822 v2(226.365,209.728)
  BottomLayer w0.095: v2@226.387,209.706 226.927,209.706 227.227,209.406 227.47,209.406 227.779,209.097 227.779,208.517 ; 227.78,208.517 227.78,208.241 227.694,208.156 227.694,207.665 227.78,207.579 227.78,207.57 228.162,207.187 228.526,207.187 228.78,206.934 228.78,206.57 228.894,206.455 228.894,205.421 229.307,205.008 ; 229.311,205.012 229.694,204.629 229.694,203.59 229.777,203.506 229.777,202.162 230.75,201.189 230.75,199.425 231.175,199 231.175,193.253 230.327,192.405 229.155,192.405 228.586,191.836 228.586,185.253 229.284,184.555 233.725,184.555 ccw(c233.725,184.973) 234.143,184.973 234.143,185.357 cw(c234.34,185.357) 234.34,185.555 cw(c234.34,185.357) 234.538,185.357 234.538,183.973 ccw(c234.955,183.973) 234.955,183.555 ccw(c234.955,183.973) 235.373,183.973 235.373,185.149 cw(c235.57,185.149) 235.57,185.347 cw(c235.57,185.149) 235.768,185.149 235.768,183.973 ccw(c236.185,183.973) 236.185,183.555 ccw(c236.185,183.973) 236.603,183.973 236.603,185.149 cw(c236.8,185.149) 236.8,185.347 cw(c236.8,185.149) 236.998,185.149 236.998,183.973 ccw(c237.415,183.973) 237.415,183.555 ccw(c237.415,183.973) 237.833,183.973 237.833,185.149 cw(c238.03,185.149) 238.03,185.347 cw(c238.03,185.149) 238.228,185.149 238.228,183.973 ccw(c238.645,183.973) 238.645,183.555 ccw(c238.645,183.973) 239.063,183.973 239.063,185.357 cw(c239.26,185.357) 239.26,185.555 cw(c239.26,185.357) 239.458,185.357 239.458,183.973 ccw(c239.875,183.973) 239.875,183.555 ccw(c239.875,183.973) 240.293,183.973 240.293,185.357 cw(c240.49,185.357) 240.49,185.555 cw(c240.49,185.357) 240.688,185.357 240.688,184.973 ccw(c241.105,184.973) 241.105,184.555 246.842,184.555 249.104,186.817 253.238,186.817 253.898,186.157 253.898,184.836 253.594,184.531 253.34,184.531 252.73,185.141 J20.b23@252.73,185.674
EXT11.LVDS_0_N: IC4.W12 J20.a27 | length 73.2
  TopLayer w0.095: IC4.W12@223.872,207.315 224.361,206.826 v2(224.361,206.785)
  BottomLayer w0.095: v2(224.361,206.785) 223.867,206.291 223.867,206.2 223.475,205.808 223.475,203.608 223.302,203.435 223.302,203.065 223.475,202.892 223.475,202.507 223.853,202.128 223.853,201.98 223.867,201.966 223.867,197.372 223.75,197.255 223.75,177.925 229.5,172.175 247.012,172.175 247.39,171.797 247.475,171.797 ccw(c247.475,171.945) 247.622,171.945 247.622,172.129 cw(c247.77,172.129) 247.77,172.276 cw(c247.77,172.129) 247.918,172.129 247.918,171.945 ccw(c248.065,171.945) 248.065,171.797 ccw(c248.065,171.945) 248.213,171.945 248.213,172.129 cw(c248.36,172.129) 248.36,172.276 cw(c248.36,172.129) 248.508,172.129 248.508,171.945 ccw(c248.655,171.945) 248.655,171.797 248.975,171.797 253.179,171.797 253.898,172.517 253.898,173.649 254.62,174.371 256.01,174.371 257.205,175.566 257.205,176.345 257.025,176.525 256.225,176.525 255.27,175.57 J20.a27@255.27,175.514
EXT11.LVDS_0_P: IC4.W11 J20.a26 | length 73.1
  TopLayer w0.095: IC4.W11@222.872,207.315 223.349,206.839 223.355,206.832 v2(223.342,206.832)
  BottomLayer w0.095: v2(223.342,206.832) 223.433,206.832 223.647,206.619 223.647,206.291 223.255,205.899 223.255,203.699 223.082,203.526 223.082,202.974 223.255,202.801 223.255,202.415 223.633,202.037 223.633,201.888 223.647,201.875 223.647,197.463 223.53,197.346 223.53,177.834 229.409,171.955 246.921,171.955 247.299,171.577 253.27,171.577 254.118,172.426 254.118,173.558 254.711,174.151 256.101,174.151 257.425,175.475 257.425,176.436 257.116,176.745 256.225,176.745 255.27,177.7 J20.a26@255.27,178.054
EXT11.LVDS_1_N: IC4.V15 J20.b27 | length 66.4
  TopLayer w0.095: IC4.V15@226.872,208.315 227.311,207.876 v2(227.311,207.835) ; v2(251.743,176.924) 251.743,176.501 J20.b27@252.73,175.514
  BottomLayer w0.095: v2(227.311,207.835) 227.311,207.754 227,207.442 227,206.661 227.253,206.407 227.617,206.407 227.965,206.06 227.965,203.65 227.965,203.418 227.965,203.27 ccw(c228.112,203.27) 228.112,203.123 228.517,203.123 cw(c228.517,202.975) 228.665,202.975 cw(c228.517,202.975) 228.517,202.828 228.112,202.828 ccw(c228.112,202.68) 227.965,202.68 227.965,202.533 227.965,202.385 229.286,201.064 229.286,198.409 226.87,195.994 226.87,182.005 229.139,179.736 234.15,179.736 ccw(c234.15,179.933) 234.347,179.933 234.347,180.018 cw(c234.765,180.018) 234.765,180.436 cw(c234.765,180.018) 235.183,180.018 235.183,179.233 ccw(c235.38,179.233) 235.38,179.036 ccw(c235.38,179.233) 235.578,179.233 235.578,180.018 cw(c235.995,180.018) 235.995,180.436 cw(c235.995,180.018) 236.413,180.018 236.413,179.233 ccw(c236.61,179.233) 236.61,179.036 ccw(c236.61,179.233) 236.808,179.233 236.808,180.018 cw(c237.225,180.018) 237.225,180.436 cw(c237.225,180.018) 237.643,180.018 237.643,179.233 ccw(c237.84,179.233) 237.84,179.036 ccw(c237.84,179.233) 238.038,179.233 238.038,179.318 cw(c238.455,179.318) 238.455,179.736 246.991,179.736 247.31,179.417 251.043,179.417 251.528,178.933 251.528,177.216 251.781,176.963 251.819,176.924 v2(251.743,176.924)
EXT11.LVDS_1_P: IC4.U15 J20.b26 | length 66.5
  TopLayer w0.095: IC4.U15@226.872,209.315 227.381,208.806 v2(227.381,208.763) ; v2(251.243,176.911) 251.243,176.992 252.305,178.054 J20.b26@252.73,178.054
  BottomLayer w0.095: v2(227.381,208.763) 227.381,208.432 226.788,207.839 226.788,207.584 226.78,207.575 226.78,206.57 227.162,206.187 227.526,206.187 227.745,205.969 227.745,202.294 229.066,200.973 229.066,198.501 226.65,196.085 226.65,181.914 229.048,179.516 234.15,179.516 ccw(c234.15,179.933) 234.567,179.933 234.567,180.018 cw(c234.765,180.018) 234.765,180.216 cw(c234.765,180.018) 234.963,180.018 234.963,179.233 ccw(c235.38,179.233) 235.38,178.816 ccw(c235.38,179.233) 235.798,179.233 235.798,180.018 cw(c235.995,180.018) 235.995,180.216 cw(c235.995,180.018) 236.193,180.018 236.193,179.233 ccw(c236.61,179.233) 236.61,178.816 ccw(c236.61,179.233) 237.028,179.233 237.028,180.018 cw(c237.225,180.018) 237.225,180.216 cw(c237.225,180.018) 237.423,180.018 237.423,179.233 ccw(c237.84,179.233) 237.84,178.816 ccw(c237.84,179.233) 238.258,179.233 238.258,179.318 cw(c238.455,179.318) 238.455,179.516 246.9,179.516 247.219,179.197 250.952,179.197 251.308,178.841 251.308,176.976 v2(251.243,176.911)
EXT11.LVDS_2_N: IC4.Y14 J20.c27 | length 68.4
  TopLayer w0.095: IC4.Y14@225.872,206.315 v2(226.372,205.815)
  BottomLayer w0.095: v2(226.372,205.815) 226.372,205.243 226.427,205.188 226.427,204.698 226.974,204.151 226.974,204.003 226.974,203.856 cw(c226.827,203.856) 226.827,203.708 226.567,203.708 ccw(c226.567,203.561) 226.42,203.561 ccw(c226.567,203.561) 226.567,203.413 226.827,203.413 cw(c226.827,203.266) 226.974,203.266 226.974,203.118 226.974,203.075 226.974,202.009 226.819,201.853 226.819,201.705 226.349,201.235 226.035,201.235 225.6,200.8 225.6,179.784 228.429,176.955 233.25,176.955 ccw(c233.25,177.373) 233.668,177.373 233.668,177.457 cw(c233.865,177.457) 233.865,177.655 cw(c233.865,177.457) 234.063,177.457 234.063,176.673 ccw(c234.48,176.673) 234.48,176.255 ccw(c234.48,176.673) 234.898,176.673 234.898,177.457 cw(c235.095,177.457) 235.095,177.655 cw(c235.095,177.457) 235.293,177.457 235.293,176.673 ccw(c235.71,176.673) 235.71,176.255 ccw(c235.71,176.673) 236.128,176.673 236.128,177.457 cw(c236.325,177.457) 236.325,177.655 cw(c236.325,177.457) 236.523,177.457 236.523,176.673 ccw(c236.94,176.673) 236.94,176.255 ccw(c236.94,176.673) 237.358,176.673 237.358,177.457 cw(c237.555,177.457) 237.555,177.655 cw(c237.555,177.457) 237.753,177.457 237.753,176.673 ccw(c238.17,176.673) 238.17,176.255 ccw(c238.17,176.673) 238.588,176.673 238.588,177.457 cw(c238.785,177.457) 238.785,177.655 cw(c238.785,177.457) 238.983,177.457 238.983,176.673 ccw(c239.4,176.673) 239.4,176.255 ccw(c239.4,176.673) 239.818,176.673 239.818,177.457 cw(c240.015,177.457) 240.015,177.655 cw(c240.015,177.457) 240.213,177.457 240.213,176.673 ccw(c240.63,176.673) 240.63,176.255 ccw(c240.63,176.673) 241.048,176.673 241.048,176.757 cw(c241.245,176.757) 241.245,176.955 246.2,176.955 246.498,176.657 249.225,176.657 250.19,175.692 J20.c27@250.19,175.514
EXT11.LVDS_2_P: IC4.W14 J20.c26 | length 68.5
  TopLayer w0.095: IC4.W14@225.872,207.315 v2(226.372,206.815)
  BottomLayer w0.095: v2(226.372,206.815) 226.372,206.342 226.745,205.969 226.745,205.661 226.592,205.508 226.592,205.334 226.647,205.279 226.647,204.789 227.194,204.242 227.194,201.917 227.039,201.761 227.039,201.549 226.504,201.015 226.126,201.015 225.82,200.709 225.82,179.875 228.52,177.175 233.25,177.175 ccw(c233.25,177.373) 233.448,177.373 233.448,177.457 cw(c233.865,177.457) 233.865,177.875 cw(c233.865,177.457) 234.283,177.457 234.283,176.673 ccw(c234.48,176.673) 234.48,176.475 ccw(c234.48,176.673) 234.678,176.673 234.678,177.457 cw(c235.095,177.457) 235.095,177.875 cw(c235.095,177.457) 235.513,177.457 235.513,176.673 ccw(c235.71,176.673) 235.71,176.475 ccw(c235.71,176.673) 235.908,176.673 235.908,177.457 cw(c236.325,177.457) 236.325,177.875 cw(c236.325,177.457) 236.743,177.457 236.743,176.673 ccw(c236.94,176.673) 236.94,176.475 ccw(c236.94,176.673) 237.138,176.673 237.138,177.457 cw(c237.555,177.457) 237.555,177.875 cw(c237.555,177.457) 237.973,177.457 237.973,176.673 ccw(c238.17,176.673) 238.17,176.475 ccw(c238.17,176.673) 238.368,176.673 238.368,177.457 cw(c238.785,177.457) 238.785,177.875 cw(c238.785,177.457) 239.203,177.457 239.203,176.673 ccw(c239.4,176.673) 239.4,176.475 ccw(c239.4,176.673) 239.598,176.673 239.598,177.457 cw(c240.015,177.457) 240.015,177.875 cw(c240.015,177.457) 240.433,177.457 240.433,176.673 ccw(c240.63,176.673) 240.63,176.475 ccw(c240.63,176.673) 240.828,176.673 240.828,176.757 cw(c241.245,176.757) 241.245,177.175 246.291,177.175 246.589,176.877 249.225,176.877 250.19,177.842 J20.c26@250.19,178.054
EXT11.LVDS_3_N: IC4.W10 J20.a29 | length 71
  TopLayer w0.095: v2(221.386,206.785) 221.386,206.829 IC4.W10@221.872,207.315
  BottomLayer w0.095: v2(221.386,206.785) 221.402,206.785 221.955,206.232 221.955,205.491 221.225,204.761 221.225,202.428 221.289,202.364 221.289,197.461 222.305,196.445 222.305,176.509 229.459,169.355 248.983,169.355 249.264,169.074 253.329,169.074 254.048,169.793 254.048,171.574 254.152,171.679 254.584,171.679 255.27,170.993 J20.a29@255.27,170.434
EXT11.LVDS_3_P: IC4.V10 J20.a28 | length 71.6
  TopLayer w0.095: v2(221.361,207.835) 221.361,207.804 221.376,207.819 IC4.V10@221.872,208.315
  BottomLayer w0.095: v2(221.361,207.835) 221.361,207.353 221.745,206.969 221.745,206.953 221.758,206.939 221.758,206.816 221.995,206.579 221.995,206.503 222.175,206.323 222.175,205.4 221.445,204.67 221.445,202.519 221.509,202.455 221.509,197.552 222.525,196.536 222.525,176.6 229.55,169.575 249.074,169.575 249.355,169.294 253.238,169.294 253.828,169.884 253.828,171.665 254.061,171.899 254.584,171.899 255.27,172.584 J20.a28@255.27,172.974
EXT11.LVDS_4_N: IC4.Y12 J20.b29 | length 66.2
  TopLayer w0.095: IC4.Y12@223.872,206.315 223.482,205.925 223.482,205.159 223.719,204.921 224.123,204.921 224.486,204.559 224.486,204.155 224.593,204.048 224.593,202.463 224.739,202.316 224.739,200.838 225.525,200.052 225.525,182.52 228.37,179.675 233.2,179.675 235.65,177.225 246.714,177.225 248.906,179.417 253.634,179.417 254.118,178.933 254.118,172.019 253.532,171.433 253.162,171.433 252.73,171.001 J20.b29@252.73,170.434
EXT11.LVDS_4_P: IC4.Y11 J20.b28 | length 65.7
  TopLayer w0.095: IC4.Y11@222.872,206.315 223.262,205.925 223.262,205.067 223.628,204.701 224.032,204.701 224.266,204.468 224.266,204.064 224.373,203.957 224.373,202.372 224.519,202.225 224.519,200.747 225.305,199.961 225.305,182.429 228.279,179.455 233.109,179.455 235.559,177.005 246.805,177.005 248.997,179.197 253.543,179.197 253.898,178.841 253.898,172.11 253.663,171.875 253.45,171.875 252.73,172.595 J20.b28@252.73,172.974
EXT11.LVDS_5_N: IC4.AB12 J20.c29 | length 66.8
  TopLayer w0.095: IC4.AB12@223.872,204.315 223.825,204.268 223.766,204.268 223.375,203.876 223.375,203.508 223.302,203.435 223.302,203.065 223.375,202.992 223.375,202.731 223.861,202.245 223.861,200.395 224.375,199.881 224.375,181.3 228.55,177.125 232.925,177.125 235.425,174.625 235.537,174.625 ccw(c235.537,174.822) 235.734,174.822 235.734,174.907 cw(c236.152,174.907) 236.152,175.325 cw(c236.152,174.907) 236.569,174.907 236.569,174.122 ccw(c236.767,174.122) 236.767,173.925 ccw(c236.767,174.122) 236.964,174.122 236.964,174.907 cw(c237.382,174.907) 237.382,175.325 cw(c237.382,174.907) 237.799,174.907 237.799,174.122 ccw(c237.997,174.122) 237.997,173.925 ccw(c237.997,174.122) 238.194,174.122 238.194,174.907 cw(c238.612,174.907) 238.612,175.325 cw(c238.612,174.907) 239.029,174.907 239.029,174.122 ccw(c239.227,174.122) 239.227,173.925 ccw(c239.227,174.122) 239.424,174.122 239.424,174.907 cw(c239.842,174.907) 239.842,175.325 cw(c239.842,174.907) 240.259,174.907 240.259,174.122 ccw(c240.457,174.122) 240.457,173.925 ccw(c240.457,174.122) 240.654,174.122 240.654,174.207 cw(c241.072,174.207) 241.072,174.625 248.1,174.625 249.111,174.625 249.475,174.261 250.916,174.261 251.528,173.649 251.528,171.867 251.297,171.636 251.003,171.636 250.19,170.824 J20.c29@250.19,170.434
EXT11.LVDS_5_P: IC4.AB11 J20.c28 | length 66
  TopLayer w0.095: IC4.AB11@222.872,204.315 222.92,204.268 223.052,204.268 223.155,204.164 223.155,203.599 223.082,203.526 223.082,202.974 223.155,202.901 223.155,202.639 223.641,202.154 223.641,200.304 224.155,199.79 224.155,181.209 228.459,176.905 232.834,176.905 235.334,174.405 235.537,174.405 ccw(c235.537,174.822) 235.954,174.822 235.954,174.907 cw(c236.152,174.907) 236.152,175.105 cw(c236.152,174.907) 236.349,174.907 236.349,174.122 ccw(c236.767,174.122) 236.767,173.705 ccw(c236.767,174.122) 237.184,174.122 237.184,174.907 cw(c237.382,174.907) 237.382,175.105 cw(c237.382,174.907) 237.579,174.907 237.579,174.122 ccw(c237.997,174.122) 237.997,173.705 ccw(c237.997,174.122) 238.414,174.122 238.414,174.907 cw(c238.612,174.907) 238.612,175.105 cw(c238.612,174.907) 238.809,174.907 238.809,174.122 ccw(c239.227,174.122) 239.227,173.705 ccw(c239.227,174.122) 239.644,174.122 239.644,174.907 cw(c239.842,174.907) 239.842,175.105 cw(c239.842,174.907) 240.039,174.907 240.039,174.122 ccw(c240.457,174.122) 240.457,173.705 ccw(c240.457,174.122) 240.874,174.122 240.874,174.207 cw(c241.072,174.207) 241.072,174.405 249.02,174.405 249.384,174.041 250.825,174.041 251.308,173.558 251.308,171.958 251.206,171.856 251.069,171.856 J20.c28@250.19,172.735
EXT11.LVDS_6_N: IC4.AA11 J20.a31 | length 70
  TopLayer w0.095: IC4.AA11@222.872,205.315 222.482,204.925 222.482,202.081 222.438,202.037 222.438,200.275 223.4,199.313 223.4,178.425 227.3,174.525 233.125,174.525 235.555,172.095 246.689,172.095 247.718,171.066 247.718,170.307 248.759,169.266 256.369,169.266 257.192,168.442 257.192,167.244 256.555,166.607 256.083,166.607 255.27,165.794 J20.a31@255.27,165.354
EXT11.LVDS_6_P: IC4.AA10 J20.a30 | length 70
  TopLayer w0.095: IC4.AA10@221.872,205.315 222.262,204.925 222.262,202.172 222.218,202.128 222.218,201.451 222.218,200.184 223.18,199.222 223.18,178.334 227.209,174.305 233.034,174.305 235.464,171.875 246.598,171.875 247.498,170.975 247.498,170.216 248.668,169.046 251.275,169.046 251.287,169.046 251.435,169.046 cw(c251.435,168.898) 251.582,168.898 251.582,168.798 ccw(c251.73,168.798) 251.73,168.651 ccw(c251.73,168.798) 251.877,168.798 251.877,168.898 cw(c252.025,168.898) 252.025,169.046 256.277,169.046 256.972,168.351 256.972,167.335 256.464,166.827 256.083,166.827 255.27,167.64 J20.a30@255.27,167.894
EXT11.LVDS_7_N: IC4.AB10 J20.b31 | length 72.4
  TopLayer w0.095: IC4.AB10@221.872,204.315 221.525,203.968 221.525,203.75 ccw(c221.723,203.75) 221.723,203.552 cw(c221.723,203.355) 221.92,203.355 cw(c221.723,203.355) 221.723,203.157 ccw(c221.723,202.96) 221.525,202.96 ccw(c221.723,202.96) 221.723,202.762 cw(c221.723,202.565) 221.92,202.565 cw(c221.723,202.565) 221.723,202.367 ccw(c221.723,202.17) 221.525,202.17 221.525,201.925 221.525,201.738 221.437,201.651 221.437,198.338 222.275,197.5 222.275,175.945 226.095,172.125 232.85,172.125 235.43,169.545 246.041,169.545 248.412,167.174 248.412,165.202 249.453,164.16 251.175,164.16 ccw(c251.175,164.308) 251.322,164.308 251.322,164.713 cw(c251.47,164.713) 251.47,164.86 cw(c251.47,164.713) 251.618,164.713 251.618,164.308 ccw(c251.765,164.308) 251.765,164.16 251.913,164.16 252.05,164.16 253.238,164.16 253.93,164.852 253.93,166.161 253.543,166.548 253.365,166.548 252.73,165.913 J20.b31@252.73,165.354
EXT11.LVDS_7_P: IC4.AA9 J20.b30 | length 72.4
  TopLayer w0.095: IC4.AA9@220.872,205.315 221.305,204.882 221.305,201.83 221.217,201.742 221.217,198.247 222.055,197.409 222.055,175.854 226.004,171.905 232.759,171.905 235.339,169.325 245.95,169.325 248.192,167.083 248.192,165.11 249.362,163.94 253.329,163.94 254.15,164.761 254.15,166.252 253.634,166.768 253.365,166.768 252.73,167.403 J20.b30@252.73,167.894
FPGA_DONE: IC4.G11 R57.1 T4.1 | length 165.5
  TopLayer w0.125: v1(159.5,220.425) 165.175,220.425 167.4,222.65 179.65,222.65 182.65,219.65 187.15,219.65 190,222.5 196,222.5 197.375,223.875 200.5,223.875 201.2,224.575 203,224.575 203.75,225.325 203.75,227.75 204.575,228.575 218,228.575 218.15,228.725 218.15,229.9 219,230.75 221.5,230.75 221.95,230.3 221.95,227.625 223.375,226.2 223.375,219.818 IC4.G11@222.872,219.315
  SignalLayer1 w0.125: v1(124.025,168) 124.05,168.025 124.05,203.525 126.488,205.963 129.263,205.963 133.401,210.101 139.636,210.101 140.287,209.45 149.35,209.45 154.525,214.625 154.525,215.45 156.683,217.608 157.023,217.608 159.5,220.085 v1(159.5,220.425)
  BottomLayer w0.125: R57.1@122.895,168.1 v1@123.925,168.1 ; T4.1@124.025,166.003 v1(124.025,168)
FPGA_INIT_B: IC4.U12 R53.2 | length 85.3
  TopLayer w0.1: R53.2@183.92,233.525 183.85,233.455 183.85,229.675 185.375,228.15 185.375,226.425 v1(186.275,225.525)
  TopLayer w0.125: IC4.U12@223.872,209.315 224.348,208.839 v2(224.384,208.839)
  MidLayer2 w0.1: v1(186.275,225.525) 187.075,224.725 187.075,223.25 188.15,222.175 188.15,218.004 189.559,216.595 189.956,216.595 199.536,226.175 205.425,226.175 206.325,227.075 215.2,227.075 215.9,227.775 219.6,227.775 220.025,227.35 221.529,227.35 v1(221.998,226.882)
  SignalLayer1 w0.1: v1@222.025,226.909 v1(221.998,226.882) 222.055,226.882 222.747,226.19 222.747,224.66 222.527,224.44 222.025,224.44 221.75,224.165 221.75,223.57 221.53,223.35 220.85,223.35 220.736,223.236 220.736,222.681 220.43,222.375 219.397,222.375 218.997,221.975 218.997,217.578 219.25,217.325 219.472,217.325 219.822,216.975 219.822,216.628 220.25,216.2 222.675,216.2 222.975,215.9 222.975,215.15 223.775,214.35 223.775,213.475 224.985,212.265 224.985,211.64 225.435,211.19 225.527,211.19 225.747,210.97 225.747,210.66 225.555,210.468 225.555,210.172 225.761,209.966 225.761,209.655 225.555,209.449 225.555,209.214 225.775,208.994 225.775,208.683 225.555,208.464 224.759,208.464 v2(224.384,208.839)